# Altium PCB MB1297.PcbDoc (part 1 of 4)
Units mm, origin at the board's own origin, x right, y up, seen from the top; angles counter-clockwise.
Board outline 90.1 x 62.11 mm, 4 copper layers (Top Layer, GND, POWER+GND, Bottom Layer), stack 0.778 mm thick; 235 components, 175 nets, 1727 pads, 1 vias.
Unrouted connection lines stored in the file: 1.
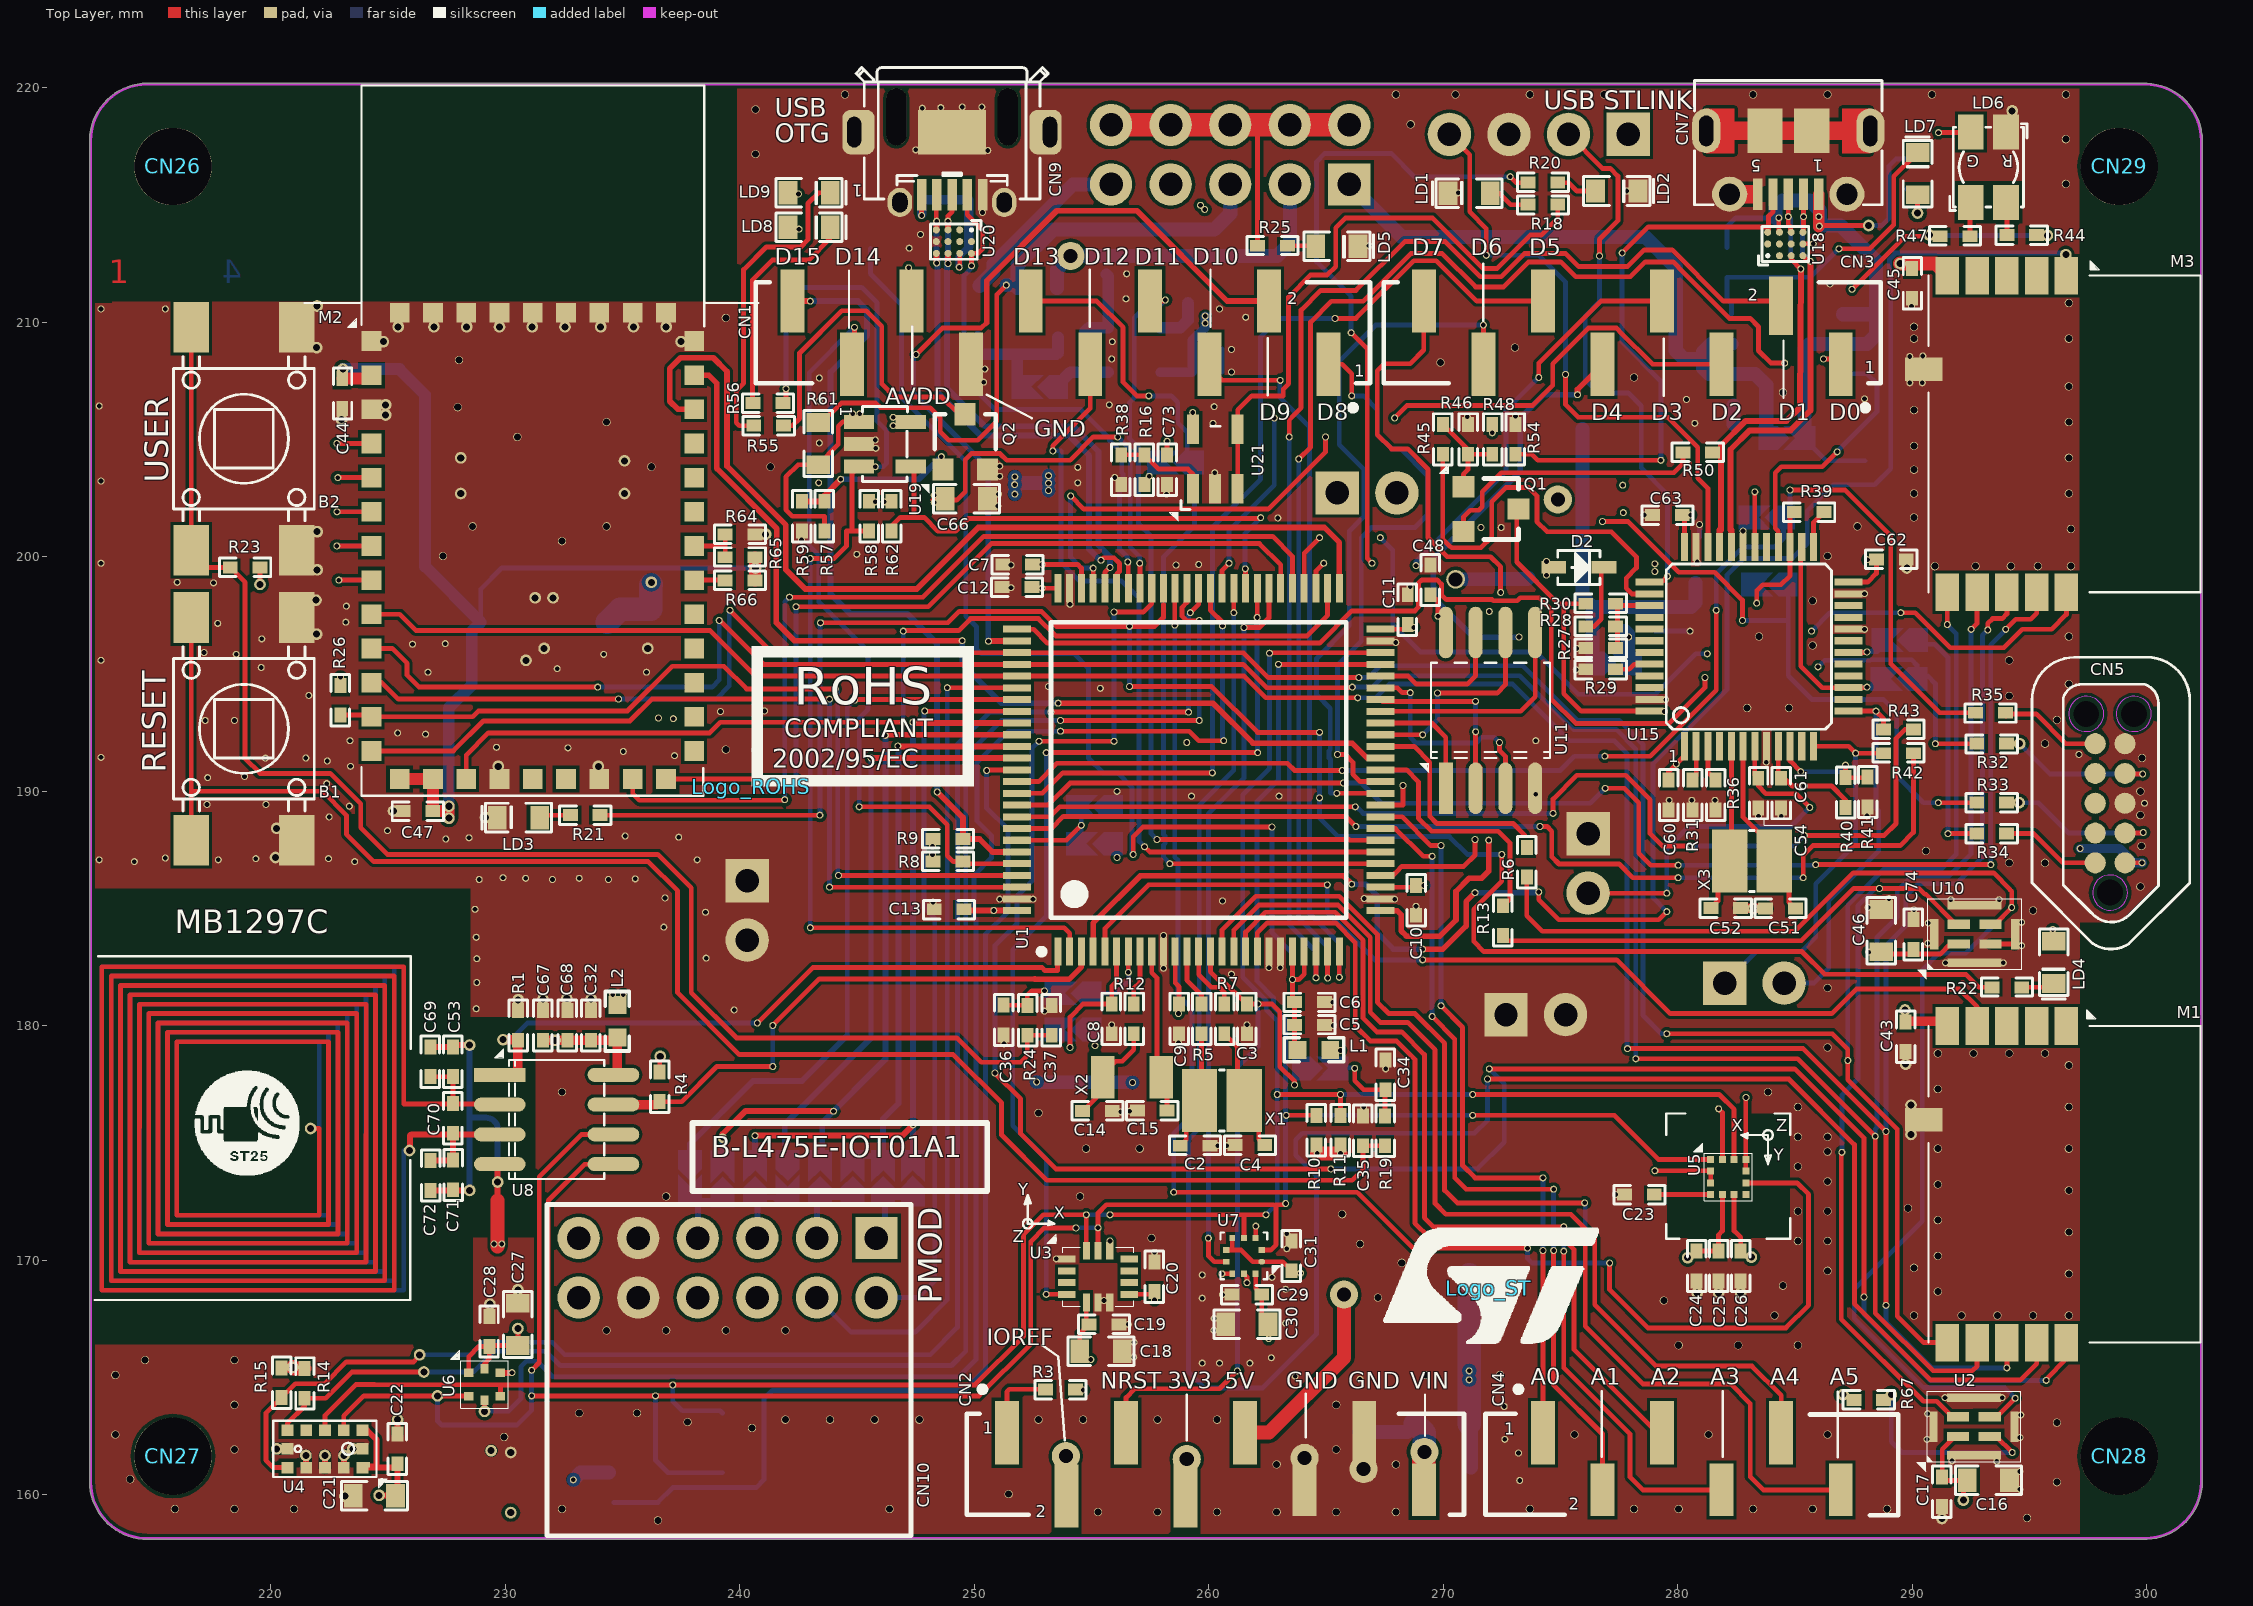
[diagram p0: Top Layer view]
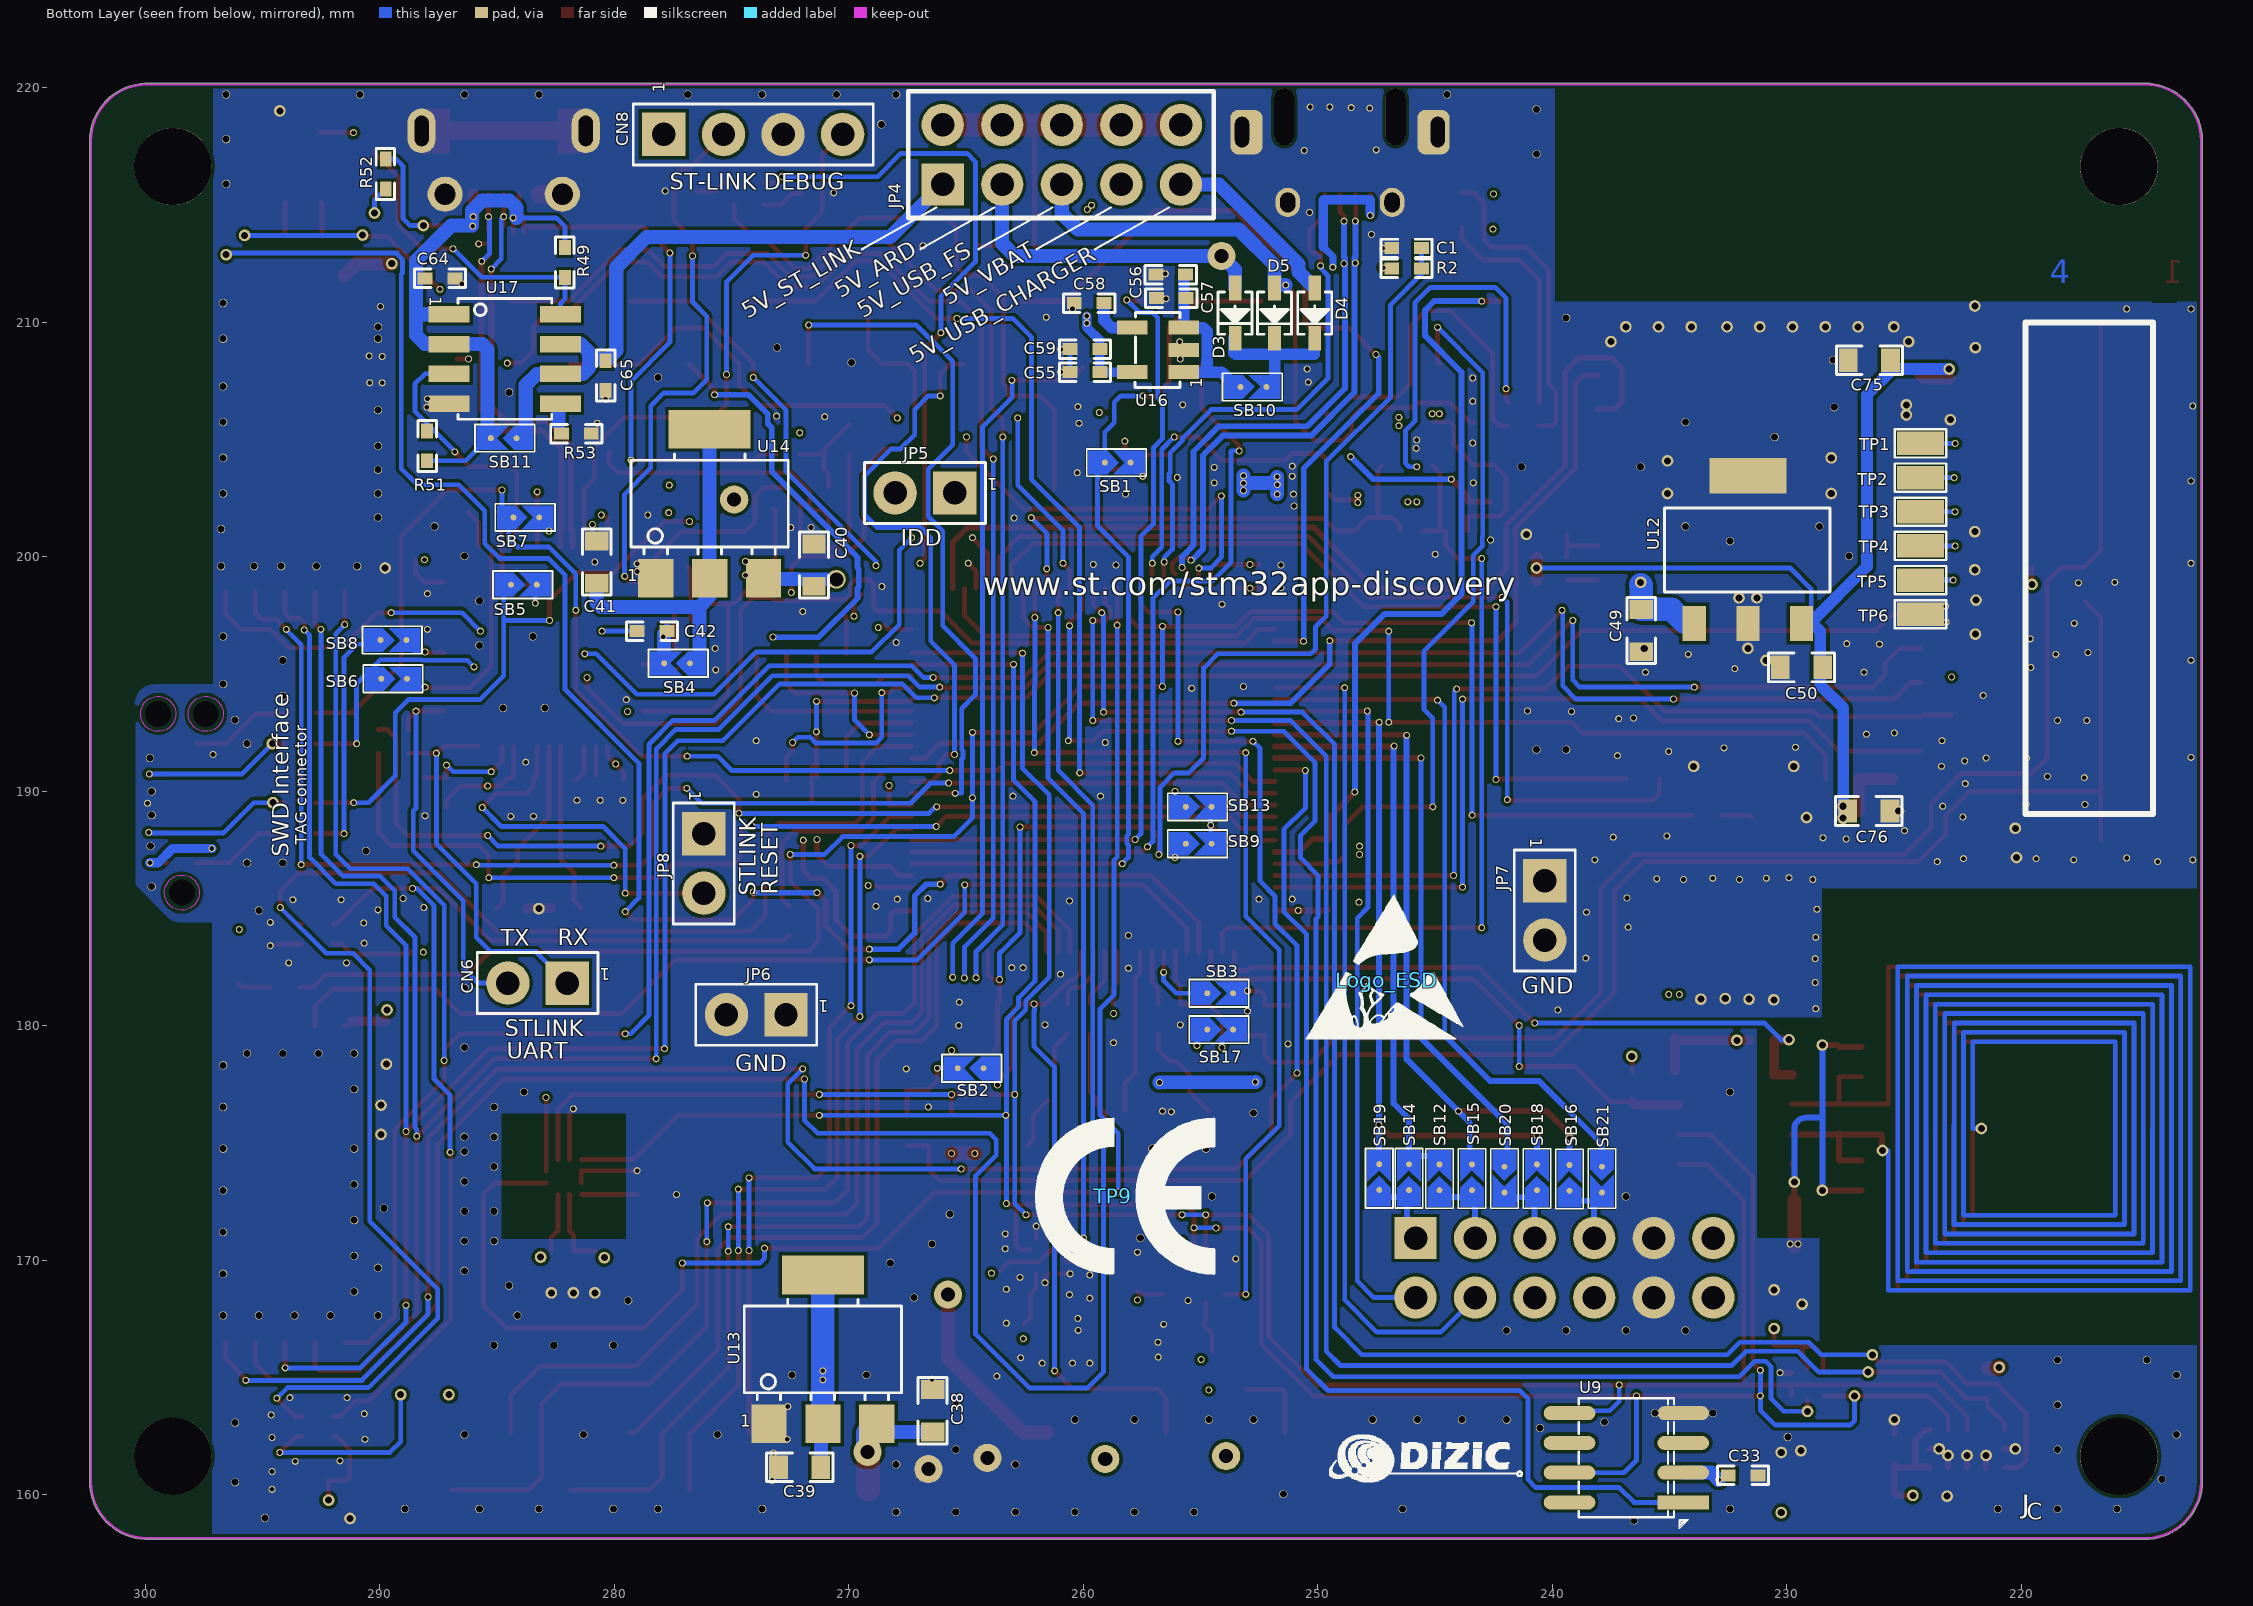
[diagram p1: Bottom Layer view, seen from below]
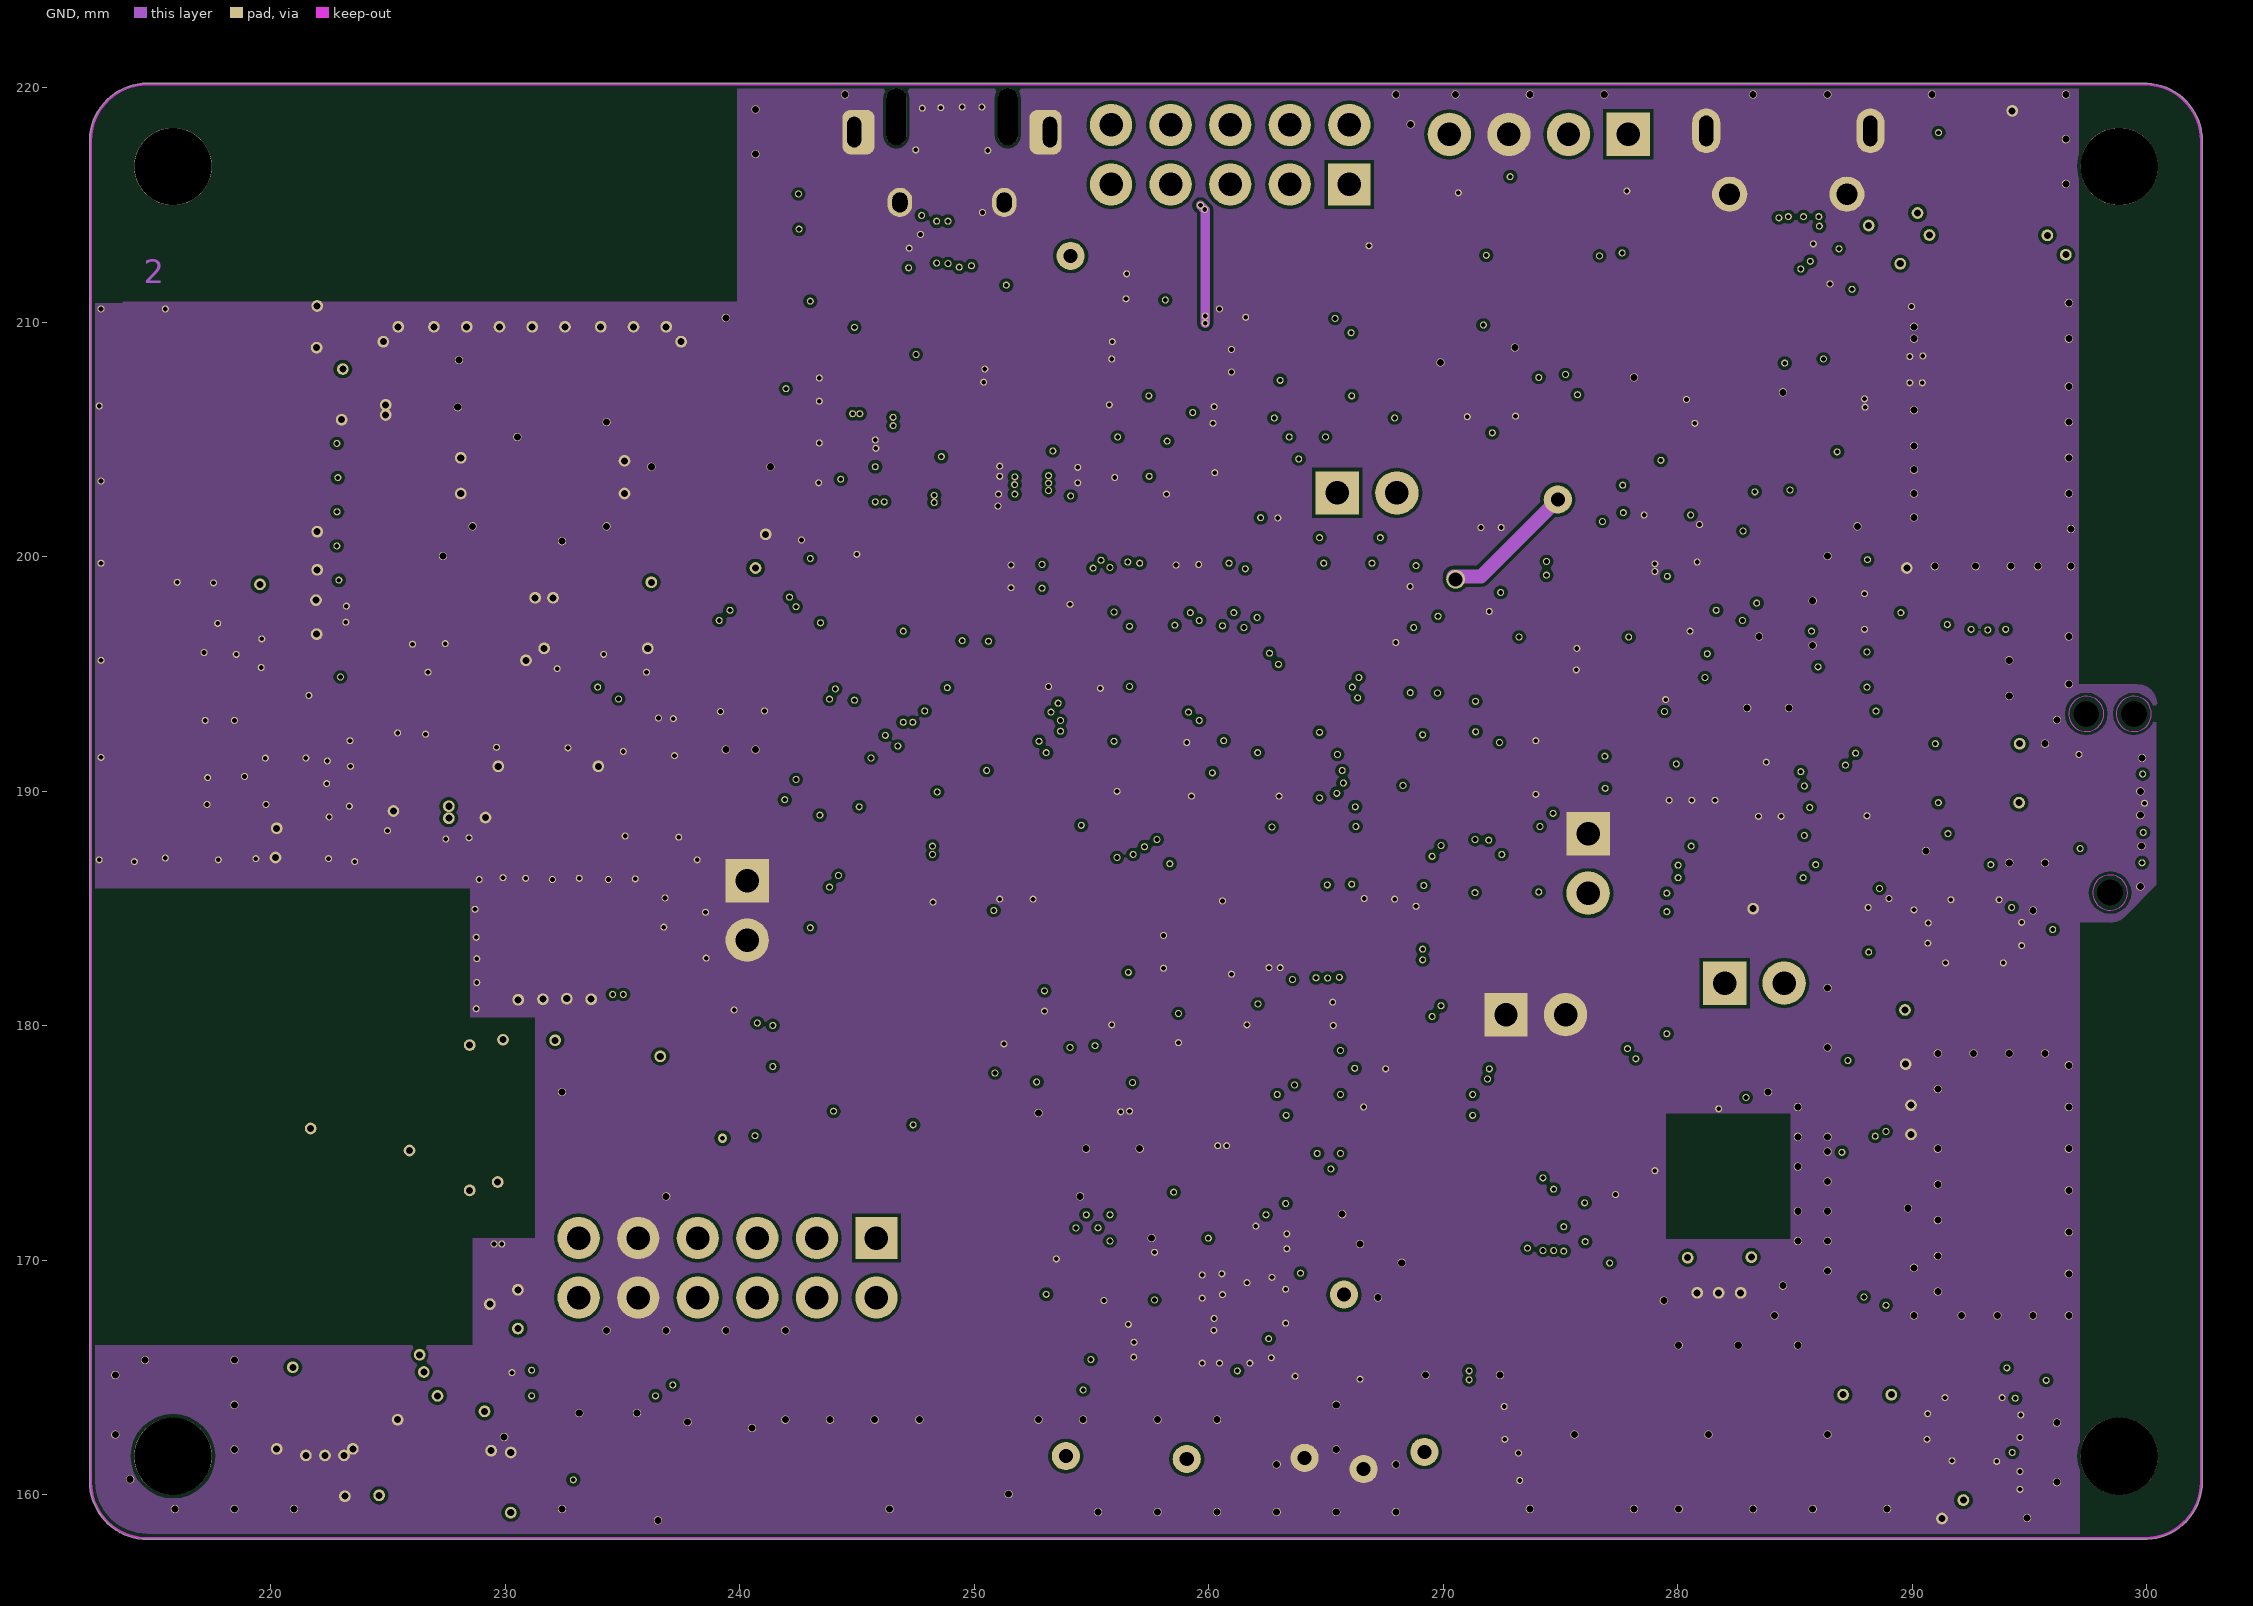
[diagram p2: GND]
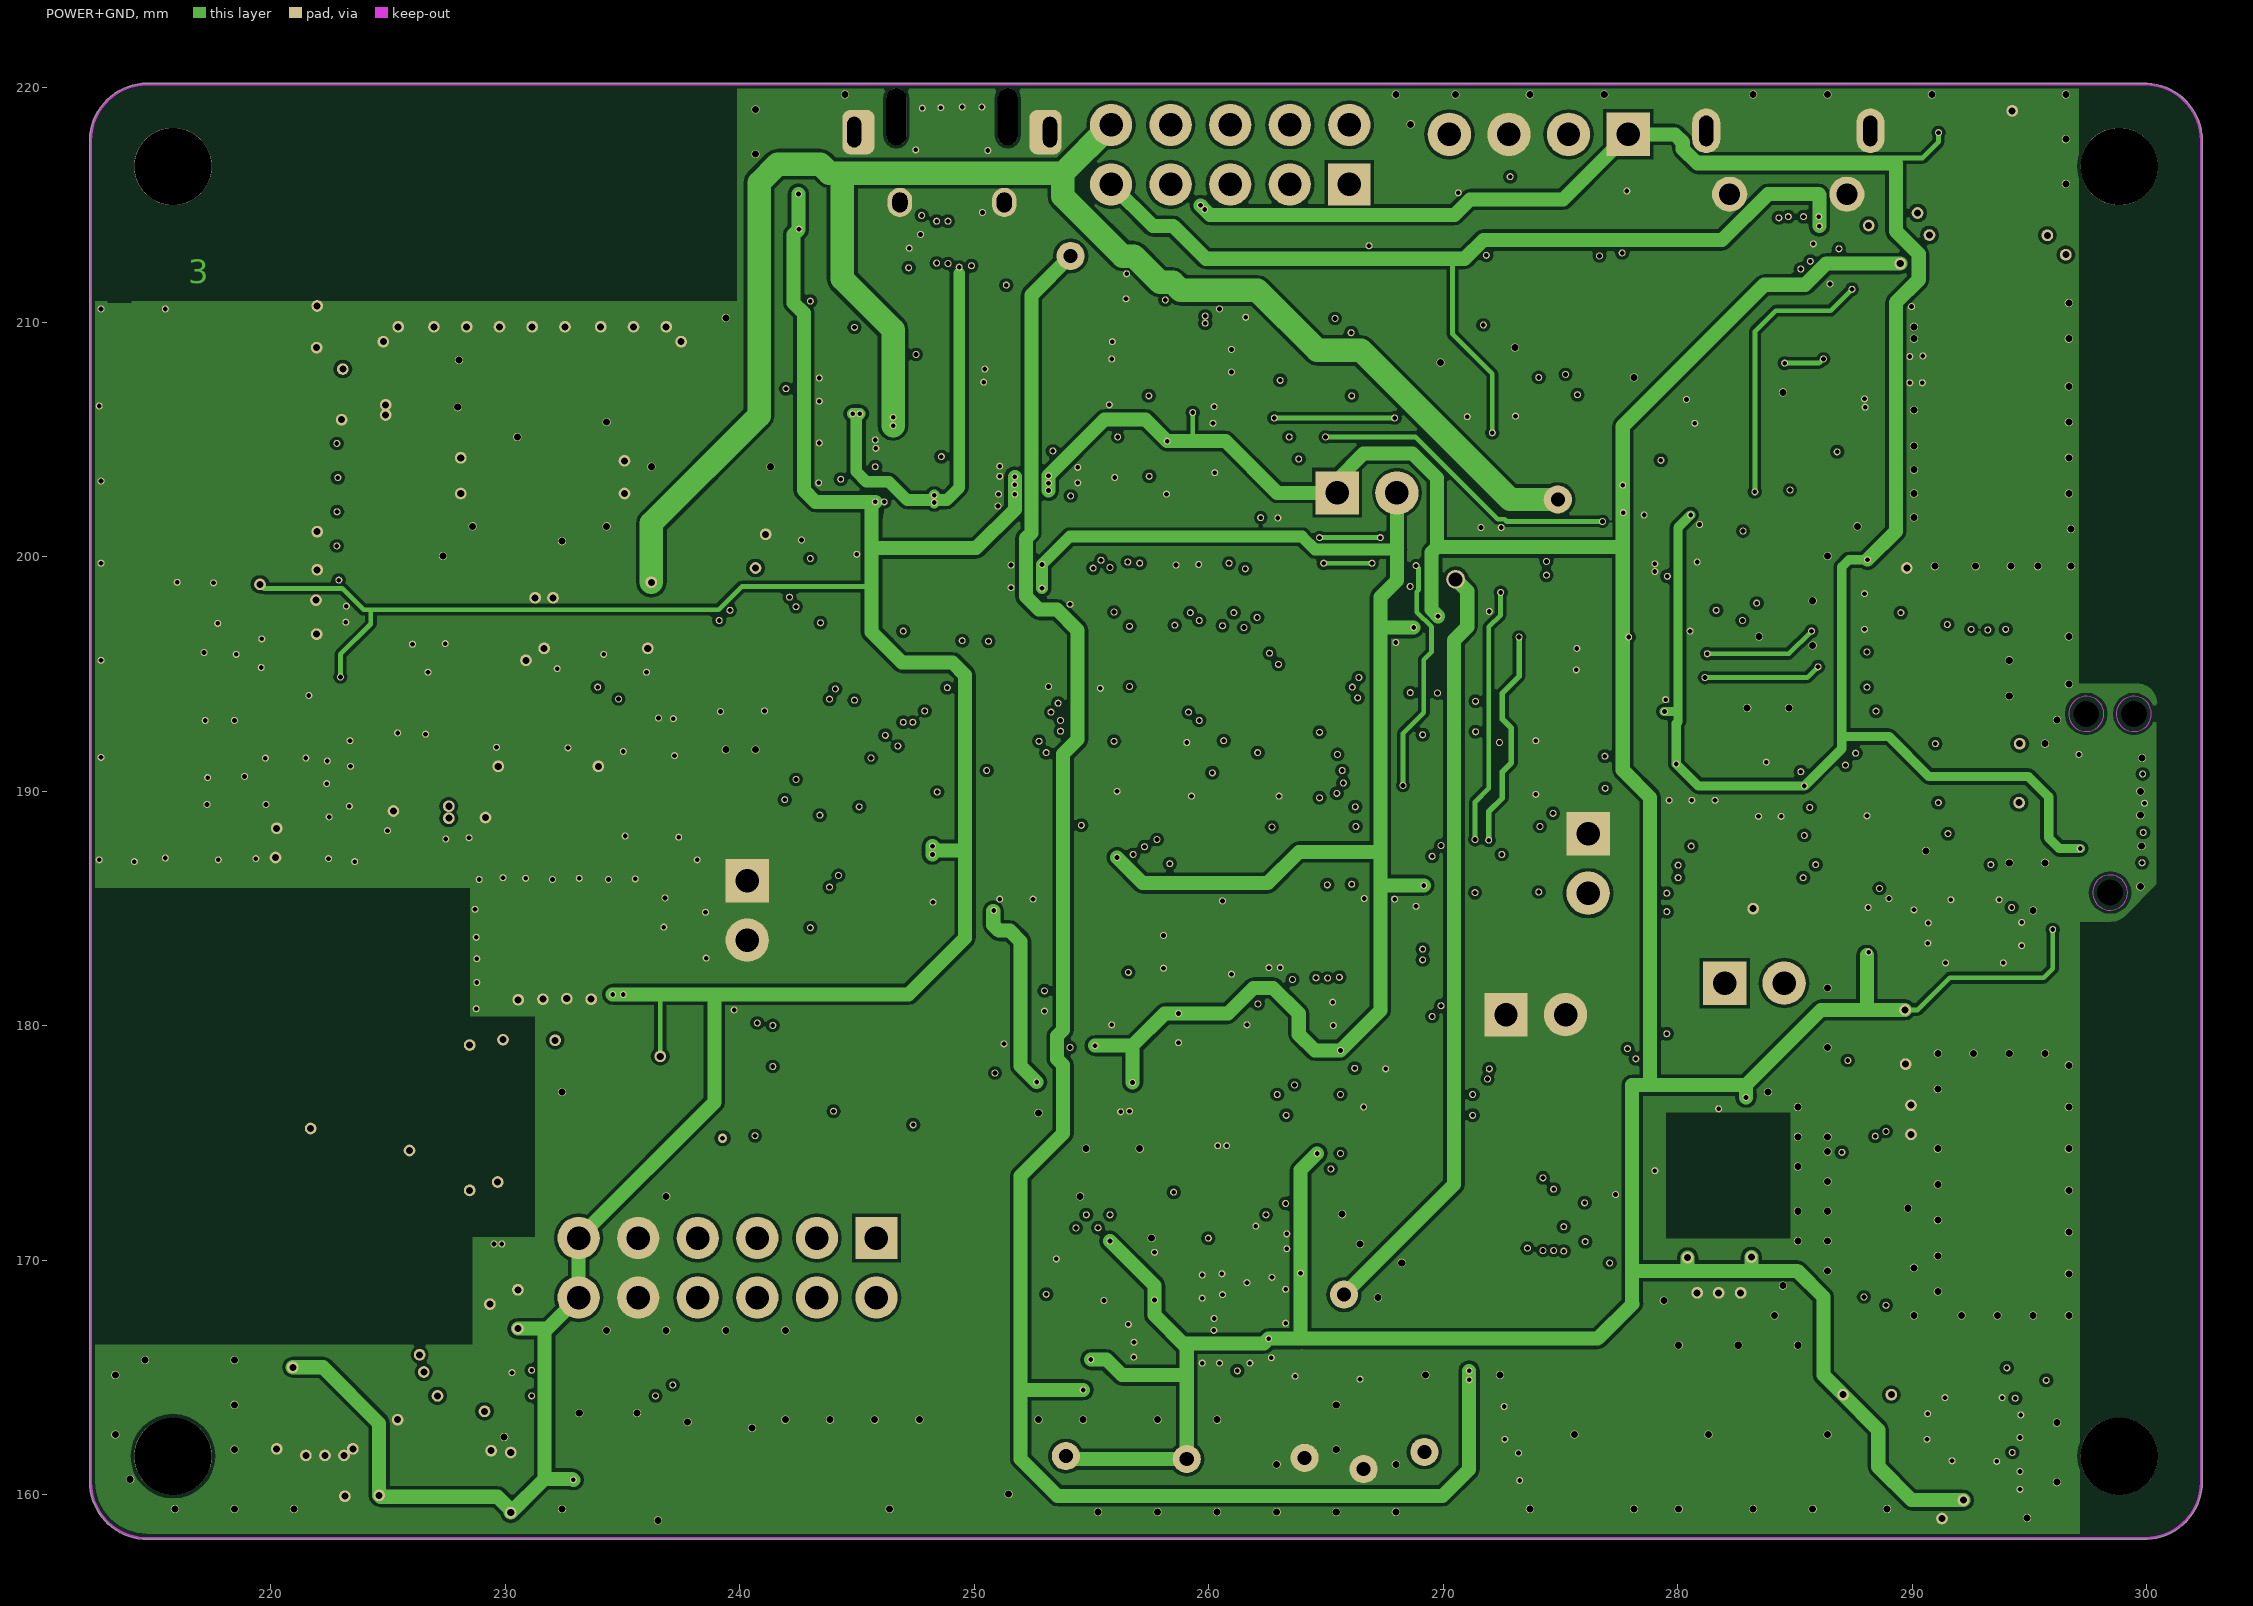
[diagram p3: POWER+GND]

## Layer stack, top to bottom
Top Layer: signal copper 0.0356
Dielectric: core 0.254, FR-4, Dk 4.2
GND: signal copper 0.036
Dielectric: prepreg 0.127, Dk 4.2
POWER+GND: signal copper 0.036
Dielectric: core 0.254, Dk 4.2
Bottom Layer: signal copper 0.0356

## Board outline
212.268,160.552 cw(c212.318,160.552) 212.268,160.559 212.268,217.707 cw(c212.315,217.727) 212.264,217.727 cw(c214.73,217.727) 212.268,217.865 212.268,217.955 cw(c212.319,217.955) 212.278,217.985 cw(c214.73,217.727) 214.73,220.193 cw(c214.73,220.142) 214.744,220.191 299.886,220.191 cw(c299.898,220.142) 299.898,220.192 cw(c299.898,217.726) 299.981,220.191 299.999,220.191 cw(c299.999,220.14) 300.01,220.19 cw(c299.898,217.726) 302.349,217.995 cw(c302.319,217.955) 302.369,217.955 302.369,160.555 cw(c302.319,160.555) 302.365,160.536 cw(c299.899,160.555) 300.016,158.092 cw(c300.001,158.14) 300.001,158.09 299.949,158.09 cw(c299.899,160.555) 299.899,158.09 cw(c299.899,158.14) 299.892,158.09 214.753,158.09 cw(c214.734,158.137) 214.734,158.086 cw(c214.734,160.552)
